# Altium PCB 28Pins_Project_V1I1_PCB.PcbDoc (part 1 of 2)
Units mm, origin at the board's own origin, x right, y up, seen from the top; angles counter-clockwise.
Board outline 68.58 x 53.34 mm, 2 copper layers (L1, L2), stack 1.671 mm thick; 106 components, 72 nets, 323 pads, 70 vias.
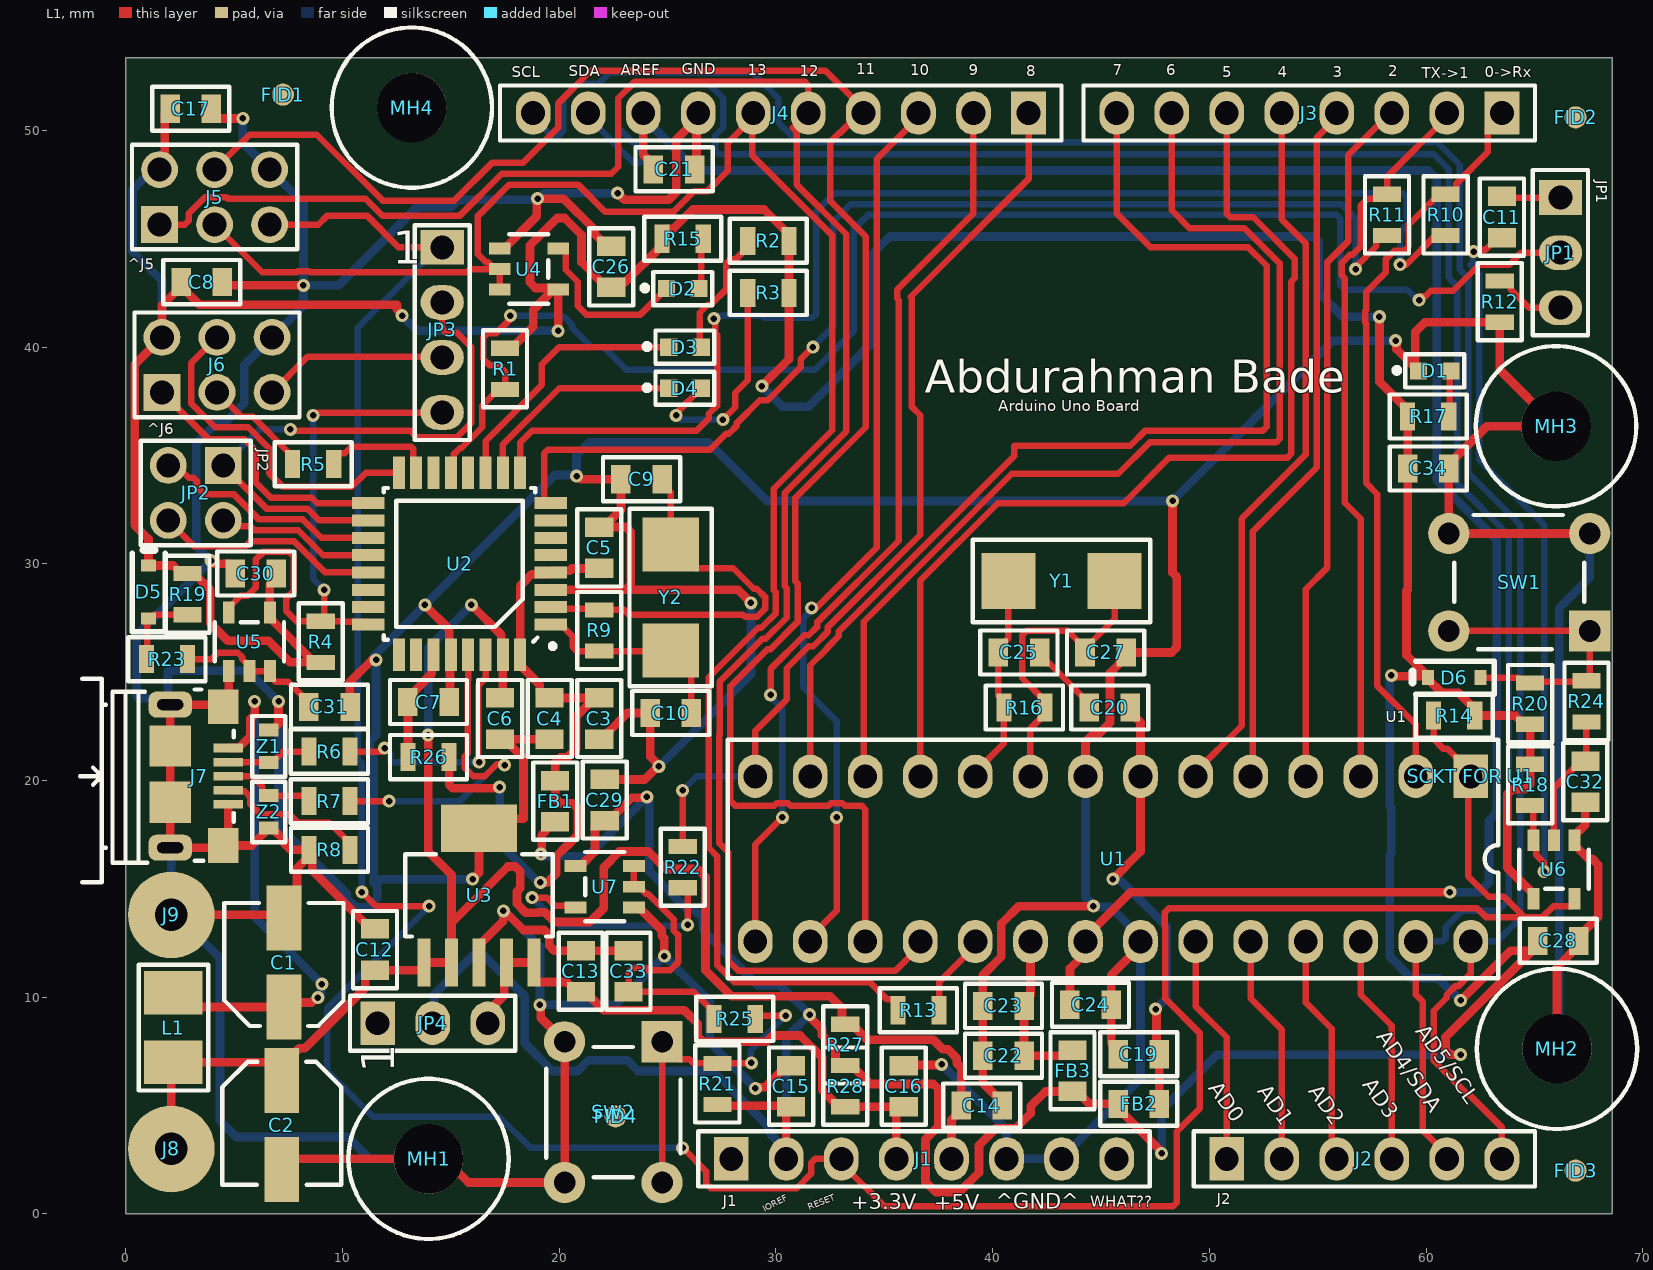
[diagram p0: L1 view]
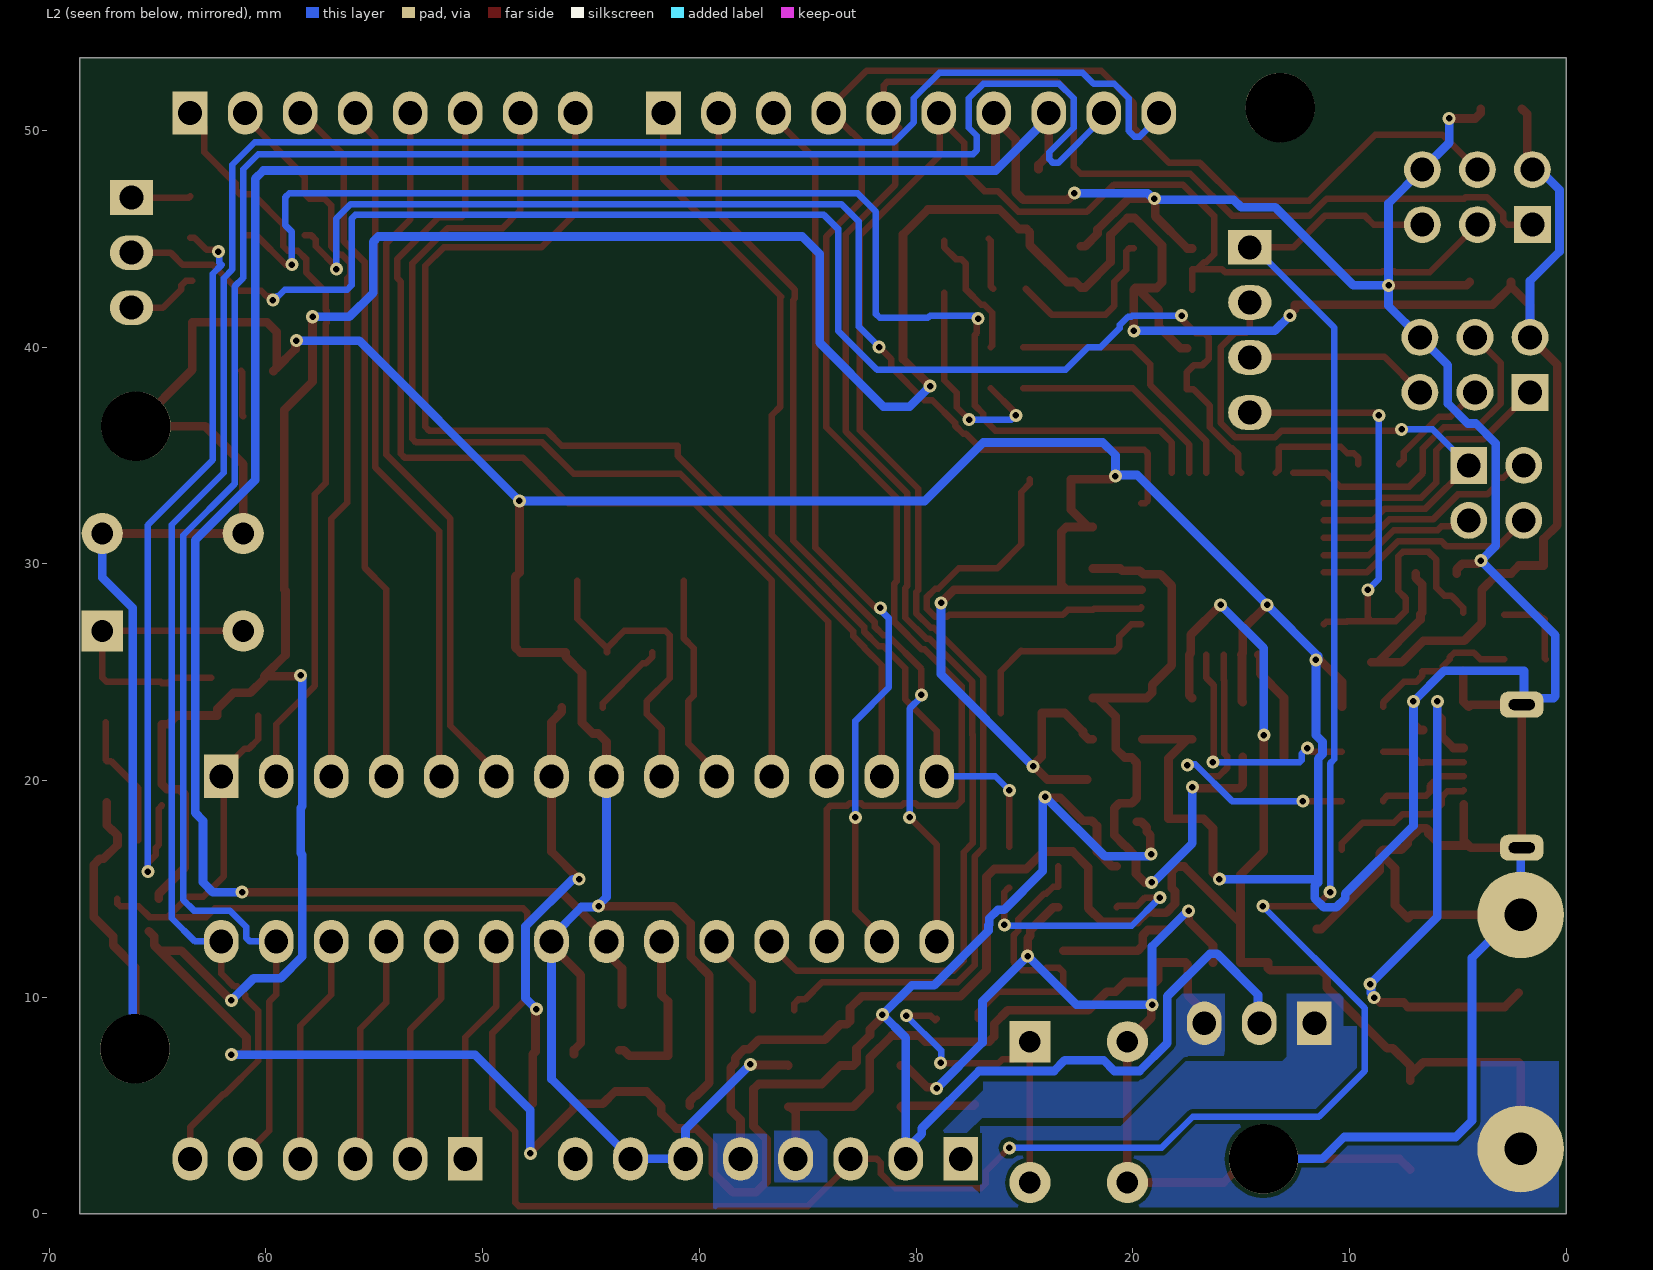
[diagram p1: L2 view, seen from below]

## Layer stack, top to bottom
Top Solder: solder mask 0.0102, Solder Resist, Dk 3.5
L1: signal copper 0.0356
Dielectric 1: dielectric 1.6, FR-4, Dk 4.8
L2: signal copper 0.0356
Bottom Solder: solder mask 0.0102, Solder Resist, Dk 3.5

## Board outline
0,0 68.58,0 68.58,53.34 0,53.34

## Design rules (kind name [scope] priority, off if disabled: settings)
Clearance [All] p1: gap=0.2 ignorepadtopadclearanceinfootprint=FALSE
ComponentClearance "SW2 FID4" [InComponent('FID4') vs InComponent('SW2')] p1: gap=0 collisioncheckmode=3 verticalgap=0 showdistances=FALSE
ComponentClearance "Power Resistors" [InComponent('R27') vs InComponent('R28')] p2: gap=0 collisioncheckmode=3 verticalgap=0 showdistances=FALSE
ComponentClearance "MH4 to FID4 and J4" [InComponent('MH4') vs InComponent('J4')or InComponent('FID4')] p3: gap=0 collisioncheckmode=3 verticalgap=0 showdistances=FALSE
ComponentClearance "DPI SOCKET to MH2 and U1" [InComponent('SCKT FOR U1') vs InComponent('MH2') or InComponent('U1')] p4: gap=0 collisioncheckmode=3 verticalgap=0 showdistances=FALSE
ComponentClearance "MH2 to J2" [InComponent('MH2') vs InComponent('J2')] p5: gap=0 collisioncheckmode=3 verticalgap=0 showdistances=FALSE
ComponentClearance [All] p6: gap=0.2 collisioncheckmode=3 verticalgap=0.2 showdistances=FALSE
HoleSize [All] p1: absolutevalues=TRUE maxlimit=10 minlimit=0.2 maxpercent=80.000 minpercent=20.000
HoleToHoleClearance [All] p1: gap=0.3 allowstackedmicrovias=TRUE
MinimumSolderMaskSliver [All] p1: minsoldermaskwidth=0.1
PolygonConnect [All] p1: connectstyle=Direct reliefconductorwidth=0.254 reliefentries=4 polygonreliefangle="90 Angle" airgapwidth=0.254
RoutingVias [All] p1: holewidth=0.3 width=0.6 viastyle="Through Hole" minholewidth=0.3 minwidth=0.6 maxholewidth=0.3 maxwidth=0.6
SilkToSilkClearance [All] p1: silktosilkclearance=0.1
SilkToSolderMaskClearance [IsPad] p1: minsilkscreentomaskgap=0.1 clearancetoexposedcopper=TRUE
SolderMaskExpansion [All] p1: expansion=0.1 istentingtop=FALSE
Width "Width POWERS" [InNet('+*') or InNet('GND')] p1: maxlimit=4 minlimit=0.4 preferedwidth=0.4
Width "Un-Route Rule Check" [InNetClass('All Nets')] p2 off: maxlimit=0.254 minlimit=0.254 preferedwidth=0.254
Width [All] p3: maxlimit=0.5 minlimit=0.3 preferedwidth=0.3 checkconnectedcopper=TRUE
24 further rules are at their usual default settings.

## Components (designator, comment, footprint, x,y, rotation, side; value= is the part's Value field where it differs from the comment)
C1 "100u / 10V" C_ALU_C_SIZE 7.3,11.6 r90 top locked
C2 "100u / 10V" C_ALU_C_SIZE 7.2,4.1 r270 top locked
C3 "10uf / 16V" "C0805 Footprint" 21.844,22.86 r90 top locked
C4 "100n" "C0805 Footprint" 19.558,22.86 r90 top locked
C5 "100n" "C0805 Footprint" 21.844,30.734 r270 top locked
C6 "100n" "C0805 Footprint" 17.272,22.86 r90 top locked
C7 "1uF / 25V" "C0805 Footprint" 13.97,23.622 r180 top locked
C8 "100n" "C0805 Footprint" 3.5,43 r0 top
C9 "18p" "C0805 Footprint" 23.8,33.9 r0 top locked
C10 "18p" "C0805 Footprint" 25.146,23.114 r0 top locked
C11 "100n" "C0805 Footprint" 63.5,46 r90 top locked
C12 "10uf / 16V" "C0805 Footprint" 11.5,12.2 r270 top locked
C13 "10uf / 16V" "C0805 Footprint" 21,11.2 r270 top locked
C14 "100n" "C0805 Footprint" 39.5,5 r180 top locked
C15 "100n" "C0805 Footprint" 30.7,5.9 r270 top locked
C16 "100n" "C0805 Footprint" 35.9,5.9 r270 top locked
C17 "100n" "C0805 Footprint" 3,51 r0 top
C19 "10uf / 16V" "C0805 Footprint" 46.736,7.366 r0 top locked
C20 "100n" "C0805 Footprint" 45.4,23.368 r0 top locked
C21 "10uf / 16V" "C0805 Footprint" 25.3,48.2 r180 top locked
C22 "10uf / 16V" "C0805 Footprint" 40.5,7.3 r0 top locked
C23 "100n" "C0805 Footprint" 40.5,9.6 r0 top locked
C24 "100n" "C0805 Footprint" 44.516,9.652 r180 top locked
C25 "18p" "C0805 Footprint" 41.214,25.908 r180 top locked
C26 "100n" "C0805 Footprint" 22.4,43.7 r90 top locked
C27 "18p" "C0805 Footprint" 45.212,25.908 r180 top locked
C28 "100n" "C0805 Footprint" 66.1,12.6 r0 top locked
C29 "100n" "C0805 Footprint" 22.1,19.1 r90 top locked
C30 "100n" "C0805 Footprint" 6,29.55 r180 top
C31 "100n" "C0805 Footprint" 9.4,23.4 r0 top locked
C32 "100n" "C0805 Footprint" 67.35,19.95 r270 top
C33 "100n" "C0805 Footprint" 23.2,11.2 r90 top locked
C34 "10uf / 16V" "C0805 Footprint" 60.1,34.4 r180 top locked
D1 "Green" LED_0603 60.4,38.9 r0 top locked
D2 "Orange" LED_0603 25.7,42.7 r0 top locked
D3 "Orange" LED_0603 25.8,40 r0 top locked
D4 "Orange" LED_0603 25.8,38.1 r0 top locked
D5 "BAT54HT1G" SOD323 1.05,28.7 r270 top locked
D6 "BAT54HT1G" SOD323 61.3,24.75 r0 top
FB1 "MPZ2012S601AT000" "C0805 Footprint" 19.812,19.05 r90 top locked
FB2 "MPZ2012S601AT000" "C0805 Footprint" 46.736,5.08 r0 top locked
FB3 "MPZ2012S601AT000" "C0805 Footprint" 43.688,6.604 r90 top locked
FID1 "FID_1MMC" FID_40x120D 7.25,51.65 r0 top
FID2 "FID_1MMC" FID_40x120D 66.9,50.6 r90 top locked
FID3 "FID_1MMC" FID_40x120D 66.9,2 r90 top locked
FID4 "FID_1MMC" FID_40x120D 22.6,4.5 r90 top locked
J1 "HDR Female 1x8 2.54mm" Hdr_Female_1x8_2.54mm 27.94,2.54 r90 top locked
J2 "HDR Female 1x6 2.54mm" Hdr_Female_1x6_2.54mm 50.8,2.54 r90 top locked
J3 "HDR Female 1x8 2.54mm" Hdr_Female_1x8_2.54mm 63.5,50.8 r270 top locked
J4 "HDR Female 1x10 2.54mm" Hdr_Female_1x10_2.54mm 41.656,50.8 r270 top locked
J5 "HDR 2x3" HDR_2x3_2.56mm 4.1,46.92 r90 top
J6 "HDR 2x3" HDR_2x3_2.56mm 4.21,39.18 r90 top
J7 "10118193-0001LF" 10118193 3.388,20.2 r270 top
J8 "4MMx1.5MM" PAD_WITH_HOLE_4MMx1.5MM 2.1,3 r0 top locked
J9 "4MMx1.5MM" PAD_WITH_HOLE_4MMx1.5MM 2.1,13.8 r0 top locked
JP1 "HDR1x3" Hdr_1x3_2.54mm 66.2,46.9 r0 top locked
JP2 "HDR-2x2" HDR_2x2_2.54mm 1.96,33.27 r270 top
JP3 "HDR 1x4" Hdr_1x4_2.54mm 14.6,44.6 r0 top locked
JP4 "HDR1x3" Hdr_1x3_2.54mm 11.62,8.8 r90 top locked
L1 "2u2 / 2A" C1210_IND 2.2,8.6 r270 top locked
MH1 "MH_7.4MMNC_3.2MMD" MH_7.4MMNC_3.2MMD 13.97,2.54 r0 top locked
MH2 "MH_7.4MMNC_3.2MMD" MH_7.4MMNC_3.2MMD 66.04,7.62 r0 top locked
MH3 "MH_7.4MMNC_3.2MMD" MH_7.4MMNC_3.2MMD 66,36.35 r0 top
MH4 "MH_7.4MMNC_3.2MMD" MH_7.4MMNC_3.2MMD 13.2,51.05 r0 top
R1 "100k" R0805 17.5,39 r90 top locked
R2 "560R" R0805 29.65,44.9 r180 top locked
R3 "560R" R0805 29.65,42.5 r180 top locked
R4 "10k" R0805 9,26.4 r270 top locked
R5 "22R" R0805 8.65,34.6 r180 top locked
R6 "22R" R0805 9.398,21.336 r0 top locked
R7 "22R" R0805 9.398,19.05 r0 top locked
R8 "0R" R0805 9.4,16.8 r180 top locked
R9 "1M" R0805 21.844,26.924 r90 top locked
R10 "1k" R0805 60.9,46.1 r90 top locked
R11 "1k" R0805 58.2,46.1 r90 top locked
R12 "1k" R0805 63.4,42.1 r90 top locked
R13 "22R" R0805 36.576,9.398 r180 top locked
R14 "10k" R0805 61.3,23 r0 top locked
R15 "560R" R0805 25.7,45 r180 top locked
R16 "1M" R0805 41.468,23.368 r180 top locked
R17 "560R" R0805 60.1,36.8 r180 top
R18 "10k" R0805 64.8,19.8 r90 top locked
R19 "10k" R0805 2.85,28.6 r90 top locked
R20 "10k" R0805 64.8,23.55 r270 top locked
R21 "10k" R0805 27.3,6 r270 top locked
R22 "560R" R0805 25.7,16 r90 top locked
R23 "22R" R0805 1.9,25.6 r0 top
R24 "22R" R0805 67.4,23.65 r270 top
R25 "22R" R0805 28.1,9 r180 top locked
R26 "0R" R0805 13.97,21.082 r0 top locked
R27 "0R" R0805 33.2,7.8 r270 top locked
R28 "0R" R0805 33.2,5.9 r270 top locked
"SCKT FOR U1" "28-DIP-Socket" 28_DIP_7.62MM_SOCKET 62.065,20.193 r270 top locked
SW1 "1825910-6" 1825910-6-SW 64.3,29.15 r90 top
SW2 "1825910-6" 1825910-6-SW 22.5,4.7 r180 top locked
U1 "ATMEGA328P-PU" DIP28 62.065,20.193 r270 top locked
U2 "ATMEGA16U2-AU" TQFP32 15.4,30 r180 top locked
U3 "3V3 LDO" "DCQ (R-PDSO-G6)" 16.3,14.7 r90 top locked
U4 "SN74AHC1G09DBVR" DBV_SOT_23_5 18.6,43.6 r180 top locked
U5 "SN74AHC1G09DBVR" DBV_SOT_23_5 5.7,26.4 r270 top locked
U6 "SN74AHC1G09DBVR" DBV_SOT_23_5 65.9,15.9 r90 top locked
U7 "SN74AHC1G09DBVR" DBV_SOT_23_5 22.1,15.1 r0 top locked
Y1 "ABM7-16.000MHZ-D2Y-T" ABM7-D2Y-T 43.18,29.21 r180 top locked
Y2 "ABM7-16.000MHZ-D2Y-T" ABM7-D2Y-T 25.146,28.448 r90 top locked
Z1 "CG0603MLC-05E" R0603 6.604,21.578 r270 top locked
Z2 "CG0603MLC-05E" R0603 6.604,18.554 r90 top locked

## Footprints (in the part's own frame and the unit in brackets; to place one, negate y for a bottom-side part, rotate by r counter-clockwise, add the part's x,y. Pads: shape width x height; smd on the part's side, far side on the other; paste and mask are expansions set on the pad)
28_DIP_7.62MM_SOCKET [mm]
  body extent -1.34,-34.26 8.76,1.24, height 4.2
1825910-6-SW [mm]
  rect 1.9x1.9 hole 1: 1(-2.25,-3.25)
  round 1.9 hole 1: 2(-2.25,3.25) 3(2.25,3.25) 4(2.25,-3.25)
  silkscreen extent -3.1,-3 3.1,3, body extent -2.99,-3.9 3,3.9, height 5
10118193 [mm]
  rect 0.4x1.35 smd mask+0.05: 1(-1.3,1.338) 2(-0.65,1.338) 3(0,1.338) 4(0.65,1.338) 5(1.3,1.338)
  rect 1.6x1.4 smd: 6(-3.2,1.112) 7(3.2,1.112)
  rrect60% 1.2x2 hole 0.5 slot 1.2 at 90 deg: 8(-3.3,-1.338) 9(3.3,-1.338)
  rect 1.9x1.9 smd: 10(-1.4,-1.338) 11(1.2,-1.338)
  silkscreen extent -4.5,-5.5 4.9,1.6, body extent -3.9,-4 3.96,1.66, height 2.87
ABM7-D2Y-T [mm]
  rect 2.5x2.6 smd: 1(-2.45,0) 2(2.45,0)
  silkscreen extent -4.1,-1.9 4.1,1.9, body extent -3,-1.75 3,1.75, height 1.41
"C0805 Footprint" [mm]
  rect 0.9x1.3 smd: 1(-0.95,0) 2(0.95,0)
  silkscreen extent -1.78,-1.02 1.78,1.02, body extent -1,-0.6 1,0.6, height 1.46
C1210_IND [mm]
  rect 2x2.7 smd: 1(-1.6,0) 2(1.6,0)
  silkscreen extent -2.9,-1.6 2.9,1.6, body extent -1.7,-1.35 1.7,1.35, height 2.71
C_ALU_C_SIZE [mm]
  rect 3x1.6 smd: 1(-2.05,0) 2(2.05,0)
  silkscreen extent -2.92,-2.75 2.75,2.75, body extent -2.95,-2.7 2.95,2.6, height 5.41
DBV_SOT_23_5 [mm]
  rect 1x0.55 smd: 1(1.35,0.95) 2(1.35,0) 3(1.35,-0.95) 4(-1.35,-0.95) 5(-1.35,0.95)
  silkscreen extent -0.9,-1.6 0.9,1.6, body extent -1.4,-1.45 1.4,1.45, height 1.11
"DCQ (R-PDSO-G6)" [mm]
  rect 2.2x0.6 smd: 1(-3.1,2.54) 2(-3.1,1.27) 3(-3.1,0) 4(-3.1,-1.27) 5(-3.1,-2.54)
  rect 2.2x3.5 smd: 6(3.1,0)
  silkscreen extent -1.9,-3.4 1.9,3.4, body extent -3.63,-3.28 3.63,3.28, height 1.71
DIP28 [mm]
  rect 2x1.6 hole 1.1: 1(0,0)
  oval 2x1.6 hole 1.1: 2(0,-2.54) 3(0,-5.08) 4(0,-7.62) 5(0,-10.16) 6(0,-12.7) 7(0,-15.24) 8(0,-17.78) 9(0,-20.32) 10(0,-22.86) 11(0,-25.4) 12(0,-27.94) 13(0,-30.48) 14(0,-33.02) 15(7.62,-33.02) 16(7.62,-30.48) 17(7.62,-27.94) 18(7.62,-25.4) 19(7.62,-22.86) 20(7.62,-20.32) 21(7.62,-17.78) 22(7.62,-15.24) 23(7.62,-12.7) 24(7.62,-10.16) 25(7.62,-7.62) 26(7.62,-5.08) 27(7.62,-2.54) 28(7.62,0)
  silkscreen extent -1.69,-34.29 9.31,1.27, body extent -0.1,-34.03 7.72,1.02, height 8.07
FID_40x120D [mil]
  round 40 smd paste-40 mask+40: 1(0,0)
Hdr_1x3_2.54mm [mm]
  rect 2x1.6 hole 1.1: 1(0,0)
  oval 2x1.6 hole 1.1: 2(0,-2.54) 3(0,-5.08)
  silkscreen extent -1.27,-6.35 1.27,1.27, body extent -1.21,-6.11 1.2,1.11, height 8.39
Hdr_1x4_2.54mm [mm]
  rect 2x1.6 hole 1.1: 1(0,0)
  oval 2x1.6 hole 1.1: 2(0,-2.54) 3(0,-5.08) 4(0,-7.62)
  silkscreen extent -1.27,-8.89 1.27,1.02, body extent -1.2,-8.8 1.21,0.96, height 8.39
HDR_2x2_2.54mm [mm]
  rect 1.7x1.7 hole 1.1: 1(-1.27,2.54)
  round 1.7 hole 1.1: 2(1.27,2.54) 3(-1.27,0) 4(1.27,0)
  silkscreen extent -2.41,-1.27 2.41,3.81, body extent -2.5,-1.27 2.5,3.81, height 8
HDR_2x3_2.56mm [mm]
  rect 1.7x1.7 hole 1.1: 1(-1.27,2.54)
  round 1.7 hole 1.1: 2(1.27,2.54) 3(-1.27,0) 4(1.27,0) 5(-1.27,-2.54) 6(1.27,-2.54)
  silkscreen extent -2.41,-3.81 2.41,3.81, body extent -2.49,-3.81 2.51,3.81, height 11.3
Hdr_Female_1x6_2.54mm [mm]
  rect 2x1.6 hole 1.1: 1(0,0)
  oval 2x1.6 hole 1.1: 2(0,-2.54) 3(0,-5.08) 4(0,-7.62) 5(0,-10.16) 6(0,-12.7)
  silkscreen extent -1.27,-14.22 1.27,1.52, body extent -1.23,-14.17 1.27,1.47, height 8.31
Hdr_Female_1x8_2.54mm [mm]
  rect 2x1.6 hole 1.1: 1(0,0)
  oval 2x1.6 hole 1.1: 2(0,-2.54) 3(0,-5.08) 4(0,-7.62) 5(0,-10.16) 6(0,-12.7) 7(0,-15.24) 8(0,-17.78)
  silkscreen extent -1.27,-19.3 1.27,1.52, body extent -1.23,-19.25 1.27,1.47, height 8.31
Hdr_Female_1x10_2.54mm [mm]
  rect 2x1.6 hole 1.1: 1(0,0)
  oval 2x1.6 hole 1.1: 2(0,-2.54) 3(0,-5.08) 4(0,-7.62) 5(0,-10.16) 6(0,-12.7) 7(0,-15.24) 8(0,-17.78) 9(0,-20.32) 10(0,-22.86)
  silkscreen extent -1.27,-24.38 1.27,1.52, body extent -1.25,-24.33 1.25,1.47, height 8.51
LED_0603 [mm]
  rect 0.8x0.8 smd paste-1000 mask+0: 1(-0.75,0) 2(0.75,0)
  silkscreen extent -1.87,-0.76 1.36,0.76, body extent -0.76,-0.4 0.94,0.4, height 0.67
MH_7.4MMNC_3.2MMD [mm]
  round 3.2 hole 3.2: 1(0,0)
  silkscreen extent -3.7,-3.7 3.7,3.7
PAD_WITH_HOLE_4MMx1.5MM [mm]
  round 4 hole 1.5: 1(0,0)
R0603 [mm]
  rect 0.6x0.9 smd: 1(-0.75,0) 2(0.75,0)
  silkscreen extent -1.4,-0.76 1.4,0.76, body extent -0.76,-0.4 0.84,0.4, height 0.56
R0805 [mm]
  rect 0.7x1.3 smd: 1(-0.95,0) 2(0.95,0)
  silkscreen extent -1.78,-1.02 1.78,1.02, body extent -1,-0.6 1,0.6, height 0.71
SOD323 [mil]
  rect 22x27 smd: 1(-48,0) 2(48,0)
  silkscreen extent -76,-30 72,30, body extent -48,-25 50,24, height 39
TQFP32 [mm]
  rect 1.5x0.55 smd mask+0.06: 1(-4.2,2.8) 2(-4.2,2) 3(-4.2,1.2) 4(-4.2,0.4) 5(-4.2,-0.4) 6(-4.2,-1.2) 7(-4.2,-2) 8(-4.2,-2.8) 17(4.2,-2.8) 18(4.2,-2) 19(4.2,-1.2) 20(4.2,-0.4) 21(4.2,0.4) 22(4.2,1.2) 23(4.2,2) 24(4.2,2.8)
  rect 0.55x1.5 smd mask+0.06: 9(-2.8,-4.2) 10(-2,-4.2) 11(-1.2,-4.2) 12(-0.4,-4.2) 13(0.4,-4.2) 14(1.2,-4.2) 15(2,-4.2) 16(2.8,-4.2) 25(2.8,4.2) 26(2,4.2) 27(1.2,4.2) 28(0.4,4.2) 29(-0.4,4.2) 30(-1.2,4.2) 31(-2,4.2) 32(-2.8,4.2)
  silkscreen extent -4.4,-3.5 3.5,3.9, body extent -4.55,-4.6 4.65,4.6, height 1.2

## Part data
C1 C2: library part EEE-1AA101WR, "Aluminum Electrolytic Capacitor, Polarized, Aluminum (wet), 10V, 20% +Tol, 20% -Tol, 100uF, Surface Mount, 2121", Capacitance=100uF, Capacitor Type=Aluminium, Leakage Current=10uA, Manufacturer=Panasonic, Max Operating Temperature=85°C, Min Operating Temperature=-40°C, Negative Tolerance=20%, Package Shape=Cylindrical, Package Style=SMTMeter, Rated DC Voltage (URdc)=10V, Ripple Current=50mA, Supplier Part Number 1=667-EEE-1AA101WR, Category="Aluminum Electrolytic Capacitors", ComponentLink1Description=https://datasheet.ciiva.com:443/pdfs/VipMasterIC/IC/PANA/PANA-S-A0009615203/PANA-S-A0009615203-1.pdf?src-supplier=IHS+Markit, ComponentLink1URL=https://datasheet.ciiva.com:443/pdfs/VipMasterIC/IC/PANA/PANA-S-A0009615203/PANA-S-A0009615203-1.pdf?src-supplier=IHS+Markit, ComponentLink2Description=https://datasheet.ciiva.com/26945/getdatasheetpartid-169213-26945071.pdf?src-supplier=Verical, ComponentLink2URL=https://datasheet.ciiva.com/26945/getdatasheetpartid-169213-26945071.pdf?src-supplier=Verical, ComponentLink3Description=https://datasheet.ciiva.com/14598/70255710-14598233.pdf?src-supplier=Allied+Electronics, ComponentLink3URL=https://datasheet.ciiva.com/14598/70255710-14598233.pdf?src-supplier=Allied+Electronics, ComponentLink4Description=https://datasheet.ciiva.com/14605/70255710-14605689.pdf?src-supplier=Allied+Electronics, ComponentLink4URL=https://datasheet.ciiva.com/14605/70255710-14605689.pdf?src-supplier=Allied+Electronics, ComponentLink5Description=https://datasheet.ciiva.com/2983/aba0000ce2-2983906.pdf?src-supplier=Avnet, ComponentLink5URL=https://datasheet.ciiva.com/2983/aba0000ce2-2983906.pdf?src-supplier=Avnet, ComponentLink6Description=https://datasheet.ciiva.com/11673/aba0000ce2-11673882.pdf?src-supplier=Avnet, ComponentLink6URL=https://datasheet.ciiva.com/11673/aba0000ce2-11673882.pdf?src-supplier=Avnet, ComponentLink7Description=https://datasheet.ciiva.com/16427/aba0000ce2-16427544.pdf?src-supplier=Future+Electronics, ComponentLink7URL=https://datasheet.ciiva.com/16427/aba0000ce2-16427544.pdf?src-supplier=Future+Electronics, ComponentLink8Description=https://datasheet.ciiva.com/30075/11aba0000ce2-30075303.pdf?src-supplier=Onlinecomponents.com, ComponentLink8URL=https://datasheet.ciiva.com/30075/11aba0000ce2-30075303.pdf?src-supplier=Onlinecomponents.com, Dielectric Material=Aluminium, Height=5.4mm, JESD-609 Code=e3,e6, Length=6.5mm, Manufacturer Part Number=EEE-1AA101WR, Mount="Surface Mount", Number of Pins=2, Packaging="Tape and Reel", Polarity=Polarized, Positive Tolerance=20%, Pricing 1="1=0.27, 10=0.148, 50=0.148, 100=0.105, 1000=0.084, 10000=0.064 (USD)", Reach SVHC Compliant=Yes, RoHS=Yes, RoHS Compliant=Yes, Size Code=2121, Stock 1=50145, Supplier 1=Mouser, Tan Delta=0.3, Terminal Finish=Tin, Termination=Flat, Width=5.3mm
C3 C12 C13 C19 C21 C22 C34: library part C2012X5R1C106K085AC, "Ceramic Capacitor, Multilayer, Ceramic, 16V, 10% +Tol, 10% -Tol, X5R, 15% TC, 10uF, Surface Mount, 0805", Capacitance=10uF, Capacitor Type=Ceramic, Manufacturer=TDK, Max Operating Temperature=85°C, Min Operating Temperature=-55°C, Negative Tolerance=10%, Package Shape=Rectangular, Package Style=SMTMeter, Rated DC Voltage (URdc)=16V, Supplier Part Number 1=445-7644-1-ND, Temperature Characteristics Code=X5R, Category="Ceramic Capacitors", ComponentLink1Description=https://datasheet.ciiva.com:443/pdfs/VipMasterIC/IC/TDKC/TDKC-S-A0008796792/TDKC-S-A0008796792-1.pdf?src-supplier=IHS+Markit, ComponentLink1URL=https://datasheet.ciiva.com:443/pdfs/VipMasterIC/IC/TDKC/TDKC-S-A0008796792/TDKC-S-A0008796792-1.pdf?src-supplier=IHS+Markit, ComponentLink2Description=https://datasheet.ciiva.com/24218/c2012x5r1c106k085ac-264980-24218056.pdf?src-supplier=Mouser, ComponentLink2URL=https://datasheet.ciiva.com/24218/c2012x5r1c106k085ac-264980-24218056.pdf?src-supplier=Mouser, ComponentLink3Description=https://datasheet.ciiva.com/6259/tdkmlcccaprange-6259116.pdf?src-supplier=Digikey, ComponentLink3URL=https://datasheet.ciiva.com/6259/tdkmlcccaprange-6259116.pdf?src-supplier=Digikey, ComponentLink4Description=https://datasheet.ciiva.com/6259/tdkmlcccaprange-6259119.pdf?src-supplier=Digikey, ComponentLink4URL=https://datasheet.ciiva.com/6259/tdkmlcccaprange-6259119.pdf?src-supplier=Digikey, ComponentLink5Description=https://datasheet.ciiva.com/23803/1796654-23803020.pdf?src-supplier=Newark, ComponentLink5URL=https://datasheet.ciiva.com/23803/1796654-23803020.pdf?src-supplier=Newark, ComponentLink6Description=https://datasheet.ciiva.com/28451/1796654-28451610.pdf?src-supplier=Element14, ComponentLink6URL=https://datasheet.ciiva.com/28451/1796654-28451610.pdf?src-supplier=Element14, ComponentLink7Description=https://datasheet.ciiva.com/28602/1744655-28602170.pdf?src-supplier=Element14, ComponentLink7URL=https://datasheet.ciiva.com/28602/1744655-28602170.pdf?src-supplier=Element14, ComponentLink8Description=https://datasheet.ciiva.com/22719/1796654-22719549.pdf?src-supplier=Element14, ComponentLink8URL=https://datasheet.ciiva.com/22719/1796654-22719549.pdf?src-supplier=Element14, ComponentLink9Description=https://datasheet.ciiva.com/28673/mlcc-commercial-general-en-28673535.pdf?src-supplier=Element14, ComponentLink9URL=https://datasheet.ciiva.com/28673/mlcc-commercial-general-en-28673535.pdf?src-supplier=Element14, Dielectric Material=Ceramic, Height=0.85mm, JESD-609 Code=e3, Length=2mm, Manufacturer Part Number=C2012X5R1C106K085AC, Mount="Surface Mount", Multilayer=Yes, Number of Pins=2, Packaging="Tape and Reel", Positive Tolerance=10%, Pricing 1="1=0.19, 10=0.12, 100=0.0813, 1000=0.05456 (USD)", Reach SVHC Compliant=Yes, RoHS=Yes, RoHS Compliant=Yes, Size Code=0805, Stock 1=1259189, Supplier 1=Digikey, Terminal Finish=Nickel, Termination=Wraparound, Width=1.25mm
C4 C5 C6 C8 C11 C14 C15 C16 C17 C20 C23 C24 C26 C28 C29 C30 C31 C32 C33: library part CGA4J2X7R1H104K125AE, "Ceramic Capacitor, Ceramic, 50V, 10% +Tol, 10% -Tol, X7R, -/+15ppm/Cel TC, 0.1uF, 0805", Capacitance=100nF, Capacitor Type=Ceramic, Manufacturer=TDK, Manufacturer Series=CGA, Max Operating Temperature=125°C, Min Operating Temperature=-55°C, Negative Tolerance=10%, Package Style=SMTMeter, Rated DC Voltage (URdc)=50V, Supplier Part Number 1=445-15959-1-ND, Temperature Characteristics Code=X7R, Category="Ceramic Capacitors", ComponentLink1Description=https://datasheet.ciiva.com:443/pdfs/VipMasterIC/IC/TDKC/TDKC-S-A0007785308/TDKC-S-A0007785308-1.pdf?src-supplier=IHS+Markit, ComponentLink1URL=https://datasheet.ciiva.com:443/pdfs/VipMasterIC/IC/TDKC/TDKC-S-A0007785308/TDKC-S-A0007785308-1.pdf?src-supplier=IHS+Markit, ComponentLink2Description=https://product.tdk.com/info/en/catalog/spec/mlccspec_automotive_soft_en.pdf?src-supplier=Digikey, ComponentLink2URL=https://product.tdk.com/info/en/catalog/spec/mlccspec_automotive_soft_en.pdf?src-supplier=Digikey, ComponentLink3Description=https://product.tdk.com/info/en/catalog/datasheets/mlcc_automotive_soft_en.pdf?ref_disty=digikey&src-supplier=Digikey, ComponentLink3URL=https://product.tdk.com/info/en/catalog/datasheets/mlcc_automotive_soft_en.pdf?ref_disty=digikey&src-supplier=Digikey, ComponentLink4Description=http://product.tdk.com/en/catalog/datasheets/mlcc_automotive_soft_en.pdf?src-supplier=Avnet, ComponentLink4URL=http://product.tdk.com/en/catalog/datasheets/mlcc_automotive_soft_en.pdf?src-supplier=Avnet, ComponentLink5Description=https://datasheet.octopart.com/CGA4J2X7R1H104K125AE-TDK-datasheet-57863114.pdf?src-supplier=Future+Electronics, ComponentLink5URL=https://datasheet.octopart.com/CGA4J2X7R1H104K125AE-TDK-datasheet-57863114.pdf?src-supplier=Future+Electronics, Dielectric Material=Ceramic, Height=1.25mm, JESD-609 Code=e3, Length=2mm, Manufacturer Part Number=CGA4J2X7R1H104K125AE, Number of Pins=2, Packaging="Tape and Reel", Positive Tolerance=10%, Pricing 1="1=0.22, 10=0.138, 100=0.094, 1000=0.06313 (USD)", Reach SVHC Compliant=Yes, Reference Standard=AEC-Q200, RoHS=Yes, RoHS Compliant=Yes, Series="CGA(SOFT TERM)", Size Code=0805, Stock 1=23585, Supplier 1=Digikey, Terminal Finish=Nickel, Width=1.25mm
C7: library part C2012X5R1E105K125AA, "Ceramic Capacitor, Multilayer, Ceramic, 25V, 10% +Tol, 10% -Tol, X5R, 15% TC, 1uF, Surface Mount, 0805", Capacitance=1uF, Capacitor Type=Ceramic, Manufacturer=TDK, Max Operating Temperature=85°C, Min Operating Temperature=-55°C, Negative Tolerance=10%, Package Shape=Rectangular, Package Style=SMTMeter, Rated DC Voltage (URdc)=25V, Supplier Part Number 1=445-1419-1-ND, Temperature Characteristics Code=X5R, Category="Ceramic Capacitors", ComponentLink1Description=https://datasheet.ciiva.com:443/pdfs/VipMasterIC/IC/TDKC/TDKC-S-A0008796792/TDKC-S-A0008796792-1.pdf?src-supplier=IHS+Markit, ComponentLink1URL=https://datasheet.ciiva.com:443/pdfs/VipMasterIC/IC/TDKC/TDKC-S-A0008796792/TDKC-S-A0008796792-1.pdf?src-supplier=IHS+Markit, ComponentLink2Description=https://datasheet.ciiva.com/11787/0900766b80c1bb00-11787608.pdf?src-supplier=Rs, ComponentLink2URL=https://datasheet.ciiva.com/11787/0900766b80c1bb00-11787608.pdf?src-supplier=Rs, ComponentLink3Description=https://datasheet.ciiva.com/28602/1744655-28602171.pdf?src-supplier=Element14, ComponentLink3URL=https://datasheet.ciiva.com/28602/1744655-28602171.pdf?src-supplier=Element14, ComponentLink4Description=https://datasheet.ciiva.com/15192/getdatasheetpartid-726707-15192140.pdf?src-supplier=Verical, ComponentLink4URL=https://datasheet.ciiva.com/15192/getdatasheetpartid-726707-15192140.pdf?src-supplier=Verical, ComponentLink5Description=https://datasheet.ciiva.com/16449/e412-c-16449595.pdf?src-supplier=Future+Electronics, ComponentLink5URL=https://datasheet.ciiva.com/16449/e412-c-16449595.pdf?src-supplier=Future+Electronics, Dielectric Material=Ceramic, Height=1.25mm, JESD-609 Code=e3, Length=2mm, Manufacturer Part Number=C2012X5R1E105K125AA, Mount="Surface Mount", Multilayer=Yes, Number of Pins=2, Packaging="Tape and Reel", Positive Tolerance=10%, Pricing 1="1=0.17, 10=0.105, 100=0.065, 1000=0.0492 (USD)", Reach SVHC Compliant=Yes, RoHS=Yes, RoHS Compliant=Yes, Size Code=0805, Stock 1=53669, Supplier 1=Digikey, Terminal Finish=Nickel, Termination=Wraparound, Width=1.25mm
C9 C10 C25 C27: library part C0805C180J5GACTU, "Ceramic Capacitor, Multilayer, Ceramic, 50V, 5% +Tol, 5% -Tol, C0G, -/+30ppm/Cel TC, 0.000018uF, Surface Mount, 0805", Capacitance=18pF, Capacitor Type=Ceramic, Manufacturer=KEMET, Max Operating Temperature=125°C, Min Operating Temperature=-55°C, Negative Tolerance=5%, Package Shape=Rectangular, Rated DC Voltage (URdc)=50V, Temperature Characteristics Code=C0G, Category="Ceramic Capacitors", ComponentLink1Description=https://datasheet.ciiva.com:443/pdfs/VipMasterIC/IC/KEME/KEME-S-A0000339979/KEME-S-A0000339979-1.pdf?src-supplier=IHS+Markit, ComponentLink1URL=https://datasheet.ciiva.com:443/pdfs/VipMasterIC/IC/KEME/KEME-S-A0000339979/KEME-S-A0000339979-1.pdf?src-supplier=IHS+Markit, ComponentLink2Description=https://datasheet.ciiva.com/22746/1769375-22746770.pdf?src-supplier=Element14, ComponentLink2URL=https://datasheet.ciiva.com/22746/1769375-22746770.pdf?src-supplier=Element14, Dielectric Material=Ceramic, JESD-609 Code=e3, Manufacturer Part Number=C0805C180J5GACTU, Mount="Surface Mount", Multilayer=Yes, Number of Pins=2, Packaging="Tape and Reel", Positive Tolerance=5%, Pricing 1="4000=0.0186, 8000=0.0167, 12000=0.0156, 20000=0.0146, 28000=0.014, 40000=0.0133, 100000=0.0121, 200000=0.0113, 400000=0.0105 (USD)", Reach SVHC Compliant=Yes, RoHS=Yes, RoHS Compliant=Yes, Size Code=0805, Stock 1=660000, Supplier 1="Arrow Electronics", Supplier Part Number 1=C0805C180J5GACTU, Terminal Finish=Nickel, Termination=Wraparound